# Altium PCB sinking-clock_Brain-PCB_RigFlex-test.PcbDoc (continued)
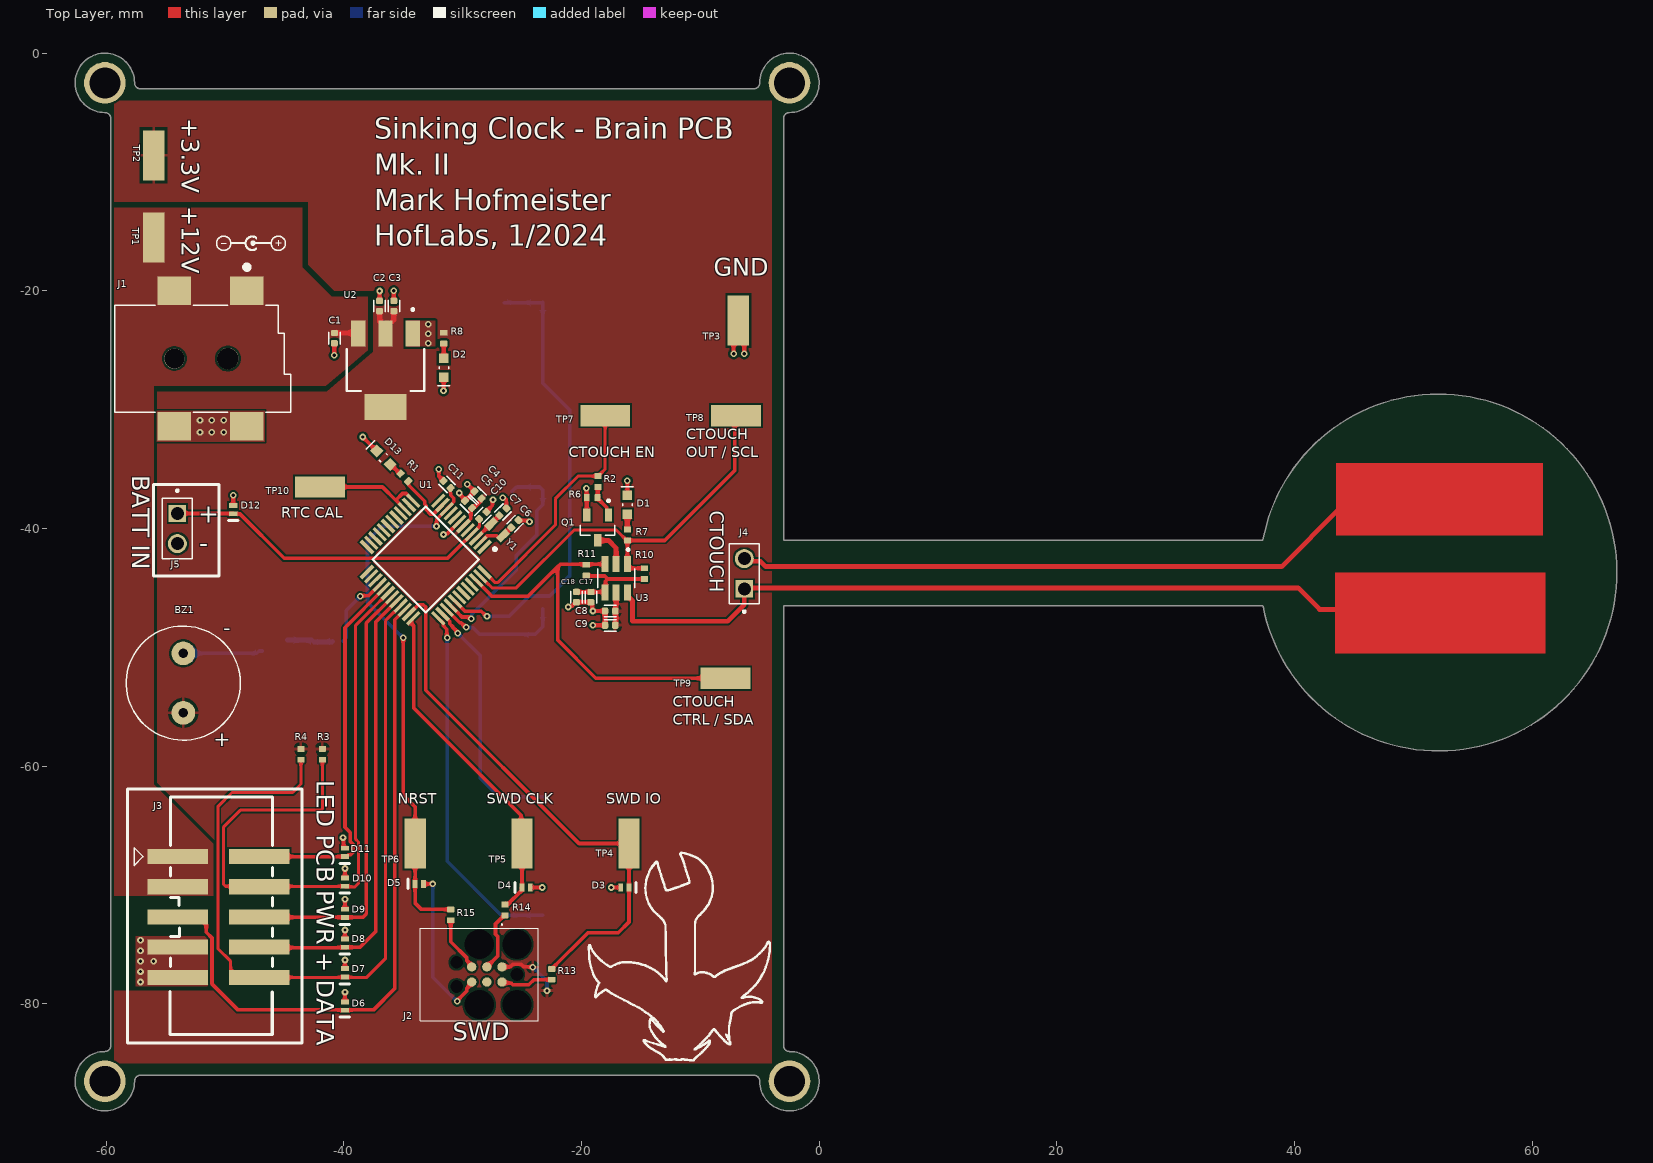
[diagram p0: Top Layer view]
## Components (designator, comment, footprint, x,y, rotation, side; value= is the part's Value field where it differs from the comment) (continued)
R13 "RES" 0402R -22.5,-77.5 r90 top value=56
R14 "RES" 0402R -26.445,-72.09 r90 top value=56
R15 "RES" 0402R -31,-72.5 r90 top value=56
SW1 "SPDT SMT Tactile Push Button Switch" TL3301BF160QGTUBE -18.7,-18.7 r90 bottom locked
SW2 "SPDT SMT Tactile Push Button Switch" TL3301BF160QGTUBE -18.7,-34.5 r90 bottom locked
SW3 "SPDT SMT Tactile Push Button Switch" TL3301BF160QGTUBE -18.7,-44.5 r90 bottom locked
SW4 "SPDT SMT Tactile Push Button Switch" TL3301BF160QGTUBE -18.7,-60.3 r90 bottom locked
SW5 "SPDT SMT Tactile Push Button Switch" TL3301BF160QGTUBE -18.7,-70.3 r90 bottom locked
TP1 "RCWCTE" RCWCTE -56,-15.5 r270 top
TP2 "RCWCTE" RCWCTE -56,-8.6 r270 top
TP3 "RCWCTE" RCWCTE -6.8,-22.5 r270 top
TP4 "RCWCTE" RCWCTE -16,-66.5 r270 top
TP5 "RCWCTE" RCWCTE -25,-66.5 r270 top
TP6 "RCWCTE" RCWCTE -34,-66.5 r270 top
TP7 "RCWCTE" RCWCTE -18,-30.5 r0 top
TP8 "RCWCTE" RCWCTE -7,-30.5 r0 top
TP9 "RCWCTE" RCWCTE -7.89,-52.59 r0 top
TP10 "RCWCTE" RCWCTE -42,-36.5 r180 top
U1 "STM32G031C6T6" 48-LQFP -33.1,-42.6 r225 top locked
U2 "AZ1117IH-3.3TRG1" SOT-223-3 -36.485,-26.674 r270 top
U3 "IQS228B00000000TSR" TSOT-23-6 -17.085,-44.185 r270 top
Y1 "ECS-.327-7-12R-TR" ECS-.327-12.5-12R-TR -27.1,-40.1 r315 top

## Footprints (in the part's own frame and the unit in brackets; to place one, negate y for a bottom-side part, rotate by r counter-clockwise, add the part's x,y. Pads: shape width x height; smd on the part's side, far side on the other; paste and mask are expansions set on the pad)
"2-pos, 0.1\" TH header" [mm]
  rect 1.45x1.45 / inner round 1.45 / far side rect 1.45x1.45 hole 1.1: 1(-1.27,0)
  round 1.6 hole 1.1: 2(1.27,0)
  silkscreen extent -3.29,-1.27 2.54,1.27, body extent -2.57,-1.26 2.51,1.28, height 8.57
"5x2, 0.1' pitch SMT header" [mil] "CONN HEADER SMD 10POS 2.54MM"
  rect 50x200 smd: 1(-200,-135) 2(-200,135) 3(-100,-135) 4(-100,135) 5(0,-135) 6(0,135) 7(100,-135) 8(100,135) 9(200,-135) 10(200,135)
  silkscreen extent -398,-280 390,178, body extent -396,-165 394,180, height 496
48-LQFP [mm]
  rect 1.475x0.3 smd mask+0.03: 1(-4.238,2.75) 2(-4.238,2.25) 3(-4.238,1.75) 4(-4.238,1.25) 5(-4.238,0.75) 6(-4.238,0.25) 7(-4.238,-0.25) 8(-4.238,-0.75) 9(-4.238,-1.25) 10(-4.238,-1.75) 11(-4.238,-2.25) 12(-4.238,-2.75) 25(4.238,-2.75) 26(4.238,-2.25) 27(4.238,-1.75) 28(4.238,-1.25) 29(4.238,-0.75) 30(4.238,-0.25) 31(4.238,0.25) 32(4.238,0.75) 33(4.238,1.25) 34(4.238,1.75) 35(4.238,2.25) 36(4.238,2.75)
  rect 0.3x1.475 smd mask+0.03: 13(-2.75,-4.238) 14(-2.25,-4.238) 15(-1.75,-4.238) 16(-1.25,-4.238) 17(-0.75,-4.238) 18(-0.25,-4.238) 19(0.25,-4.238) 20(0.75,-4.238) 21(1.25,-4.238) 22(1.75,-4.238) 23(2.25,-4.238) 24(2.75,-4.238) 37(2.75,4.238) 38(2.25,4.238) 39(1.75,4.238) 40(1.25,4.238) 41(0.75,4.238) 42(0.25,4.238) 43(-0.25,4.238) 44(-0.75,4.238) 45(-1.25,4.238) 46(-1.75,4.238) 47(-2.25,4.238) 48(-2.75,4.238)
  silkscreen extent -4.85,-3.15 3.15,3.62, body extent -4.5,-4.5 4.5,4.5, height 1.6
0402C [mm] "0402 SMT Capacitor"
  rrect53% 0.54x0.6 smd: 1(-0.43,0) 2(0.43,0)
  silkscreen extent -0.5,-0.48 0.5,0.48, body extent -0.5,-0.25 0.5,0.25, height 0.5
0402R [mm] "0402 SMT Resistor"
  rrect20% 0.49x0.6 smd: 1(-0.455,0) 2(0.455,0)
  body extent -0.75,-0.25 0.75,0.25, height 0.35
CUI_CMI-9605IC-0380T [mm]
  round 2 hole 0.8: N(0,-2.5) P(0,2.5)
  silkscreen extent -4.8,-4.8 4.8,4.8, body extent -4.78,-5.82 4.72,4.88, height 5.05
DESD3V3S1BL-7B [mm]
  rect 0.4x0.7 smd mask+0.076: 1(-0.025,0) 2(0.675,0)
  silkscreen extent -0.6,-0.4 -0.6,0.4, body extent -0.18,-0.3 0.82,0.3, height 0.53
ECS-.327-12.5-12R-TR [mm]
  rect 0.6x1.1 smd: 1(-0.7,0) 2(0.7,0)
  body extent -1,-0.55 1,0.55, height 0.6
"LED - 0603" [mm]
  rect 0.8x0.8 smd: 1(-0.8,0) 2(0.8,0)
  silkscreen extent -0.08,-0.51 1.52,0.51, body extent -0.8,-0.35 0.8,0.35, height 0.7
PJ-002BH-SMT-TR [mm] "Barrel Jack 2.5mm ID 5.5mm OD"
  rect 2.8x2.4 smd: 1(-6.1,0) 1(0,0) 2(-6.1,-11.4) 3(0,-11.4)
  round 1.7 hole 1.7 unplated: ""(-6.1,-5.7)
  round 1.8 hole 1.8 unplated: ""(-1.6,-5.7)
  silkscreen extent -11.1,-10.2 3.7,2.19, body extent -11.1,-12.1 3.7,0.5, height 11
RCWCTE [mm]
  rect 4.2x1.8 smd: 1(0,0)
  body extent -1.6,-0.8 1.6,0.8, height 2.01
SOT-23 [mm]
  rect 1.09x0.61 smd: 1(-1.07,0.915) 2(-1.07,-0.915) 3(1.07,0)
  silkscreen extent -2.35,-1.45 0.65,1.45, body extent -1.2,-1.45 1.2,1.45, height 1.2
SOT-223-3 [mm]
  rect 2.2x1.2 smd: 1(-3.1,2.3) 2(-3.1,0) 3(-3.1,-2.3)
  rect 2.2x3.5 smd: 4(3.1,0)
  silkscreen extent -5.2,-3.25 1.75,3.25, body extent -3.5,-3.25 3.5,3.25, height 1.65
"TAG CONNECT TC2030IDC - NO 3D MODEL" [mil]
  round 30.83 smd: 1(-37.52,-25) 2(-37.52,25) 3(12.48,-25) 4(12.48,25) 5(62.52,-25) 6(62.52,25)
  round 48.25 hole 96.5 unplated: 7(-87.52,-100) 9(-87.52,100) 10(37.48,-100) 11(37.48,100)
  round 21 hole 42.01 unplated: 8(-87.52,0) 12(112.48,-40) 13(112.48,40)
  silkscreen extent -157,-167 232,154
TL3301BF160QGTUBE [mm]
  rect 1.4x2.1 smd: 1(-2.25,-4.55) 2(-2.25,4.55) 3(2.25,-4.55) 4(2.25,4.55)
  body extent -3.04,-5.02 2.96,4.98, height 9.55
TSOT-23-6 [mm]
  rect 1.34x0.59 smd: 1(-1.19,0.95) 2(-1.19,0) 3(-1.19,-0.95) 4(1.19,-0.95) 5(1.19,0) 6(1.19,0.95)
  silkscreen extent -2.52,-1.56 0.8,1.56, body extent -1.4,-1.45 1.4,1.45, height 1

## Part data
BZ1: "MAGNETIC BUZZER INDICATOR", MFR="CUI Devices", MFR PN=CMI-9605IC-0380T, Vendor=DigiKey, Vendor Link=https://www.digikey.com/en/products/detail/cui-devices/CMI-9605IC-0380T/11674180, Vendor PN=2223-CMI-9605IC-0380T-ND
C1 C2 C3: "Capaicitor", MFR="KYOCERA AVX", MFR PN=KGM05CR51A106MH, ClassName=PWR, Vendor=DigiKey, Vendor Link=https://www.digikey.com/en/products/detail/kyocera-avx/KGM05CR51A106MH/6564275, Vendor PN=478-KGM05CR51A106MHCT-ND
C4 C10 C18: "Capaicitor", MFR="Samsung Electro-Mechanics", MFR PN=CL05A475KQ5NRNC, Vendor=DigiKey, Vendor Link=https://www.digikey.com/en/products/detail/samsung-electro-mechanics/CL05A105KL5NRNC/5961280, Vendor PN=1276-6796-1-ND
  C18: ClassName=CTOUCH
C5 C9 C11 C12 C13 C14 C15 C16: "Capaicitor", MFR="Samsung Electro-Mechanics", MFR PN=CL05A104KP5NNNC, Vendor=DigiKey, Vendor Link=https://www.digikey.com/en/products/detail/samsung-electro-mechanics/CL05A104KP5NNNC/3886680, Vendor PN=1276-1022-1-ND
C6 C7 C8: "Capaicitor"
C17: "Capaicitor", MFR="Walsin Technology Corporation", MFR PN=HH15N101J500CT, ClassName=CTOUCH, Vendor=DigiKey, Vendor Link=https://www.digikey.com/en/products/detail/walsin-technology-corporation/HH15N101J500CT/14836854, Vendor PN=1292-HH15N101J500CT-ND
D1 D2 D13: "LED", Color=Green, MFR=Dialight, MFR PN=5988070107F, Vendor=DigiKey, Vendor Link=https://www.digikey.com/en/products/detail/dialight/5988070107F/1291269, Vendor PN=350-2035-1-ND
  D1: ClassName=CTOUCH
  D2 D13: ClassName=PWR
D3 D4 D5 D6 D7 D8 D9 D10 D11 D12: library part "TVS Diode Bi", MFR="Diodes Incorporated", MFR PN=DESD3V3E1BL-7B
J1: "2.5 mm Center Pin, 5.0 A, Right Angle, Surface Mount (SMT), Dc Power Jack Connector", MFR="CUI Devices", ClassName=PWR, MFR PN=PJ-002BH-SMT-TR, Vendor=DigiKey, Vendor Link=https://www.digikey.com/en/products/detail/cui-devices/PJ-002BH-SMT-TR/404626, Vendor PN=CP-002BHPJCT-ND
J2: "\"Plug of Nails\" POGO Pin connector", MFR=Tag-Connect, MFR PN=TC2030-IDC-NL
J3: "CONN HEADER SMD 10POS 2.54MM", MFR="CNC Tech", MFR PN=3020-10-0300-00, Vendor=DigiKey, Vendor Link=https://www.digikey.com/en/products/detail/cnc-tech/3020-10-0300-00/3441727, Vendor PN=1175-1621-ND
J4 J5: "2-pos connector, 0.1\", TH, male"
  J4: ClassName=CTOUCH
Q1 Q2: "N-Channel MOSFET", MFR="Diodes Incorporated", MFR PN=DMN63D8L
R1 R8 R9 R13 R14 R15: "Resistor", MFR=YAGEO, MFR PN=RC0402FR-0756RL, ClassName=PWR, Vendor=DigiKey, Vendor Link=https://www.digikey.com/en/products/detail/yageo/RC0402FR-0756RL/726636, Vendor PN=311-56.0LRCT-ND
R2 R7 R10 R11: "Resistor", MFR=YAGEO, MFR PN=AC0402FR-134K7L
R3 R4 R6 R12: "Resistor", MFR=YAGEO, MFR PN=RC0402JR-0710KL, Vendor=DigiKey, Vendor Link=https://www.digikey.com/en/products/detail/yageo/RC0402JR-0710KL/726418, Vendor PN=311-10KJRCT-ND
SW1 SW2 SW3 SW4 SW5: "Tactile Push Button Switch, Gull Wing Lead, 9.5mm contact height", MFR=E-Switch, MFR PN=TL3301BF160QG, Vendor=DigiKey, Vendor Link=https://www.digikey.com/en/products/detail/e-switch/TL3301BF160QGTUBE/1805543, Vendor PN=141-TL3301BF160QGTUBE-ND
TP1 TP2 TP3 TP4 TP5 TP6 TP7 TP8 TP9 TP10: library part "Test Point", "Test Point, Surface Mount", MFR="KOA Speer Electronics, Inc.", MFR PN=RCWCTE, Vendor=DigiKey, Vendor Link=https://www.digikey.com/en/products/detail/koa-speer-electronics-inc/RCWCTE/11476558, Vendor PN=2019-RCWCTECT-ND
  TP1 TP2: ClassName=PWR
  TP7 TP8 TP9: ClassName=CTOUCH
U1: "STM32G031C6T6 - ARM MCU, STM32 Family STM32G0 Series Microcontrollers, ARM Cortex-M0+, 32bit, 64 MHz, 32 KB, 8 KB", MFR=STMicroelectronics, MFR PN=STM32G031C6T6, Vendor=DigiKey, Vendor Link=https://www.digikey.com/en/products/detail/stmicroelectronics/STM32G031C6T6/10300268, Vendor PN=497-19555-ND
U2: "IC REG LINEAR 3.3V 1A SOT223", MFR="Diodes Incorporated", ClassName=PWR, MFR PN=AZ1117IH-3.3TRG1, Vendor=DigiKey, Vendor Link=https://www.digikey.com/en/products/detail/diodes-incorporated/AZ1117IH-3-3TRG1/5699672, Vendor PN=AZ1117IH-3.3TRG1DICT-ND
U3: library part AT42QT1070-SSU, "Capacitive Touch Buttons 14-SOIC", MFR=Microchip, MFR PN=AT42QT1070-SSU
Y1: "SMD Tuning Fork Crystal", MFR="ECS Inc.", MFR PN=ECS-.327-7-12R-TR, Vendor=DigiKey, Vendor Link=https://www.digikey.com/en/products/detail/ecs-inc/ECS-327-7-12R-TR/8593599, Vendor PN=XC2743CT-ND

## Free pads (board coordinates)
  round 3.5 hole 2.6: 4(-60.1,-86.5) 4(-60.1,-2.5) 4(-2.5,-86.5) 4(-2.5,-2.5)

## Via types
v1: diameter 0.559, hole 0.279, Top Layer to Bottom Layer, tented top, 55 vias

## Nets (pads, with @x,y where several pads share a name; then routed paths per layer and width w, separated by ;. In a path a pad name is that pad's centre, name@x,y a point inside that pad or via, vN(x,y) a via of type N, cw(c..) or ccw(c..) an arc to the next point about the centre after c; other vN are vias at no path point)
+12: C1.2 J1.1 J3.1 J3.3 TP1.1 U2.3 | length 2
  Top Layer w0.406: C1.2 -38.815,-23.544 U2.3
ALARM_EN_BUTTON: C13.2 SW2.1 U1.40 | length 18.4
  Top Layer w0.305: U1.40 -30.358,-47.11 -30.358,-47.134 -30.046,-47.446 -29.454,-47.446 -29.321,-47.579 v1(-29.279,-47.579)
  Bottom Layer w0.305: v1(-29.279,-47.579) -29.231,-47.531 -29.231,-47.231 -25.5,-43.5 -25.5,-42.283 -23.763,-40.546 -23.763,-38.511 -23.25,-37.998 SW2.1 -23.5,-36.5 -25.417,-36.5 -25.526,-36.609 -25.589,-36.609 -25.849,-36.869 C13.2
Alarm_LED: D6.1 J3.5 U1.34 | length 57.2
  Top Layer w0.305: J3.5 -52.053,-72.68 -51.57,-73.163 -51.57,-73.966 -51.088,-74.448 -51.088,-78.312 -48.9,-80.5 -37.5,-80.5 -35.7,-78.7 -35.7,-47.675 U1.34
ALARM_SET_BUTTON: C14.2 SW3.1 U1.39 | length 10.7
  Top Layer w0.305: U1.39 -30.246,-47.929 -30.14,-47.929 -29.769,-48.3 v1(-29.7,-48.3)
  Bottom Layer w0.305: v1(-29.7,-48.3) -29.651,-48.349 -29.123,-48.349 -28.572,-48.9 -23.9,-48.9 -23.25,-48.25 SW3.1
BUZZER_OUT: R9.2 U1.28 | length 6.4
  Top Layer w0.305: v1(-38.61,-45.7) -38.561,-45.651 -37.919,-45.651 U1.28
  Bottom Layer w0.305: R9.2 -40.045,-49.445 -39.8,-49.2 -39.8,-46.9 -38.61,-45.71 v1(-38.61,-45.7)
CAPTOUCH_EN: R2.2 TP7.1 U1.48 | length 20.6
  Top Layer w0.254: U1.48 -27.261,-44.55 -27.05,-44.55 -22.2,-39.7 -22.2,-37.5 -20.29,-35.59 R2.2 -18.545,-35.59 -18.427,-35.472 -18.427,-35.417 -18,-34.99 TP7.1 TP7.1@-18.18,-30.68
CAPTOUCH_IN: J4.1 U3.6 | length 66.7
  Top Layer w0.4: -15.7,-47.8 -7.7,-47.8 -6.3,-46.4 J4.1 -6.23,-45 40.3,-45 42.1,-46.8 45.6,-46.8
  Top Layer w0.406: U3.6 -16.135,-45.75 -16.043,-45.842 -15.938,-45.842 -15.7,-46.08 -15.7,-47.8
CAPTOUCH_OUT_SCL: R7.2 R10.1 TP8.1 U1.47 U3.1 | length 35
  Top Layer w0.254: U1.47 -27.536,-44.982 -25.482,-44.982 -20.635,-40.135 -17.055,-40.135 -16.19,-41 R7.2
  Top Layer w0.305: R10.1 -15.992,-43.335 -16.135,-43.192 U3.1 R7.2 -13,-41 -7.09,-35.09 -7.09,-30.59 TP8.1
CTOUCH_CTRL_SDA: R11.1 TP9.1 U1.46 U3.3 | length 34.5
  Top Layer w0.305: U1.46 -27.525,-45.7 -24.5,-45.7 -22,-43.2 ; U3.3@-18.035,-43.37 U3.3 -19.6,-42.995 -21.795,-42.995 -22,-43.2 ; TP9.1 -18.79,-52.59 -22,-49.38 -22,-43.2
DISPLAY_BUTTON: C12.2 SW1.1 U1.41 | length 38.8
  Top Layer w0.305: U1.41 -29.797,-46.964 -28.439,-46.964 -28.012,-47.391 v1(-27.943,-47.391)
  Bottom Layer w0.305: v1(-27.943,-47.391) -26.108,-47.391 -24.388,-45.671 -22.671,-45.671 -21,-44 -21,-30 -23.25,-27.75 SW1.1 -23.3,-21 C12.2@-26.5,-21
GND: C1.1 C2.1 C3.1 C4.1 C5.1 C6.1 C7.1 C8.1 C9.1 C10.1 C11.1 C12.1 C13.1 C14.1 C15.1 C16.1 C17.1 C18.1 D1.2 D2.2 D3.2 D4.2 D5.2 D6.2 D7.2 D8.2 D9.2 D10.2 D11.2 D12.2 D13.2 J1.2 J1.3 J2.6 J3.7 J3.9 J4.2 J5.2 Q1.2 Q2.2 R6.1 R12.1 SW1.3 SW2.3 SW3.3 SW4.3 SW5.3 TP3.1 U1.7 U2.1 | length 109.4
  Top Layer w0.305: D12.2 v1(-49.3,-37.2) ; v1(-40.809,-25.409) -40.797,-25.397 -40.797,-24.416 C1.1 ; v1(-40.067,-66) -40.018,-66.049 -40.018,-66.852 -39.948,-66.852 D11.2 ; D6.2 v1(-39.9,-79) ; D7.2 v1(-39.9,-76.3) ; D8.2 v1(-39.9,-73.776) ; D9.2 v1(-39.9,-71.2) ; D10.2 v1(-39.9,-68.6) ; v1(-38.4,-32.3) D13.2 ; v1(-36.985,-20.015) C2.1 C2.1@-36.955,-20.844 ; v1@-35.849,-20.049 v1(-35.8,-20) -35.793,-20.007 -35.793,-20.837 C3.1 ; D5.2 v1(-32.5,-69.9) ; v1(-32,-35) -32,-35.589 C11.1@-31.546,-36.043 ; v1(-31.61,-40.5) -31.561,-40.451 -31.305,-40.451 U1.7 ; v1(-31.61,-28.415) -31.597,-28.403 -31.597,-27.286 D2.2 ; v1(-30.443,-79.761) -30.443,-79.703 -29.636,-78.897 -29.636,-78.686 -29.231,-78.28 J2.6 ; v1(-30.286,-37.008) -30.286,-37.077 -29.808,-37.555 C5.1 ; C5.1@-29.704,-37.56 C4.1 -29.008,-36.841 -29.572,-36.277 v1(-29.61,-36.277) ; C10.1 -27.996,-38.571 -27.494,-38.069 -27.494,-37.629 v1(-27.445,-37.581) ; v1(-26.61,-37.4) -26.599,-37.411 -26.458,-37.411 -26.317,-37.551 -26.317,-38.275 C7.1 ; C6.1 -25.275,-39.317 -24.563,-39.317 -24.442,-39.439 v1(-24.373,-39.439) ; D4.2 v1(-23.3,-70.2) ; v1(-21.1,-46.6) -21.051,-46.551 -20.817,-46.551 -20.459,-46.194 C18.1 -20.426,-46.197 -19.203,-46.197 C17.1 -19.084,-46.316 -19.084,-46.891 v1(-19.035,-46.94) C8.1 ; v1(-19.583,-36.617) -19.569,-36.631 -19.569,-37.386 -19.552,-37.403 -19.552,-38.842 Q1.2 ; v1(-19.035,-48.14) C9.1 ; v1(-17.5,-70.2) D3.2 ; D1.2 v1(-16.135,-35.973) ; v1(-7.2,-25.3) -7.2,-22.9 TP3.1 -6.3,-23 v1(-6.3,-25.3)
  Top Layer w0.4: J4.2 -6.07,-42.76 -4.94,-42.76 -4.5,-43.2 38.9,-43.2 43.9,-38.2 49.3,-38.2
  Top Layer w0.406: C9.1 C8.1
  Bottom Layer w0.305: v1(-32.5,-69.9) -32.5,-77.753 -30.493,-79.761 v1(-30.443,-79.761)
  other v1: -57.1,-78.15 -57.1,-77.275 -57.1,-76.4 -56,-76.4 -57.1,-75.525 -57.1,-74.65 -52.1,-31.9 -51.1,-31.9 -50.1,-31.9 -52.1,-30.9 -51.1,-30.9 -50.1,-30.9 -32.9,-24.4 -32.9,-23.6 -32.9,-22.8
HOUR_SET_BUTTON: C15.2 SW4.1 U1.38 | length 21
  Top Layer w0.305: U1.38 -31.09,-47.792 -31.09,-48.003 -30.854,-48.239 -30.854,-48.277 -30.4,-48.731 v1(-30.4,-48.8)
  Bottom Layer w0.305: v1(-30.4,-48.8) -28.5,-50.7 -28.5,-61 -26.95,-62.55 -26.326,-62.55 -26.324,-62.548 -25.676,-62.548 -25.674,-62.55 SW4.1
MINUTE_SET_BUTTON: C16.2 SW5.1 U1.37 | length 30.7
  Top Layer w0.305: U1.37 -31.636,-47.953 -31.636,-48.164 -31.337,-48.463 -31.337,-49.163 v1(-31.3,-49.2)
  Bottom Layer w0.305: v1(-31.3,-49.2) -31.3,-68 -26.75,-72.55 -26.5,-72.55 -25.8,-72.55 SW5.1
NetBZ1_N: BZ1.N Q2.3 | length 6.7
  Bottom Layer w0.305: BZ1.N -47.32,-50.5 -47.12,-50.3 Q2.3
NetC6_2: C6.2 U1.2 Y1.2 | length 3.3
  Top Layer w0.305: U1.2 -28.509,-41.194 -27.905,-40.59 -27.172,-40.59 -26.991,-40.772 -26.782,-40.772 Y1.2 -26.6,-40.595 -25.909,-39.904 C6.2
NetC7_2: C7.2 U1.3 Y1.1 | length 2.8
  Top Layer w0.305: U1.3 -28.862,-40.841 -27.627,-39.605 Y1.1 -27.595,-39.6 -26.904,-38.909 C7.2
NetC10_2: C10.2 D12.1 J5.1 U1.4 | length 28.7
  Top Layer w0.254: U1.4 -29.219,-40.455 -28.592,-39.827 -28.592,-39.636 -28.589,-39.634 -28.589,-39.219 C10.2
  Top Layer w0.305: J5.1 -49.3,-38.73 -49.259,-38.771 -48.729,-38.771 -44.994,-42.506 -31.266,-42.506 -29.725,-40.965 -29.7,-40.965 -29.223,-40.487 U1.4
NetD1_1: D1.1 R7.1 | length 1.3
  Top Layer w0.406: R7.1 D1.1
NetD2_1: D2.1 R8.1 | length 1.2
  Top Layer w0.305: D2.1 R8.1
NetD13_1: D13.1 R1.2 | length 1.2
  Top Layer w0.305: D13.1 -36.05,-34.6 -35.272,-35.378 R1.2
NetJ2_2: J2.2 R13.1 | length 4.5
  Top Layer w0.305: J2.2 -26.599,-78.242 -25.915,-78.242 -25.778,-78.38 -24.425,-78.38 -24,-77.955 R13.1
NetJ2_3: J2.3 R14.1 | length 5.2
  Top Layer w0.305: J2.3 -27.039,-75.96 -27.039,-74.319 -27.229,-74.13 -27.229,-73.274 -26.5,-72.545 R14.1
NetJ2_5: J2.5 R15.1 | length 4.7
  Top Layer w0.305: R15.1 -31,-74.771 -29.636,-76.135 -29.636,-76.346 -29.231,-76.752 J2.5
NetQ1_1: Q1.1 R2.1 R6.2 | length 2.7
  Top Layer w0.305: R2.1 -18.623,-36.522 -18.623,-37.377 R6.2 -18.645,-37.455 -17.873,-38.227 -17.873,-38.692 Q1.1
NetQ1_3: Q1.3 U3.2 | length 3.3
  Top Layer w0.406: Q1.3 -18.635,-40.988 -18.533,-41.09 -18.533,-41.005 -17.72,-41.005 -17.085,-41.64 U3.2
NetQ2_1: Q2.1 R9.1 R12.2 | length 3.6
  Bottom Layer w0.406: Q2.1 R12.2@-42.715,-49.385 ; R12.2 -40.997,-49.545 -40.955,-49.503 R9.1
NetR1_1: R1.1 U1.11 | length 4.9
  Top Layer w0.305: R1.1 -34.578,-36.153 -34.617,-36.192 -34.537,-36.272 -34.537,-36.363 -33.194,-37.706 -33.194,-37.962 -33.065,-38.091 -33.065,-38.417 -32.708,-38.774 -32.456,-38.774 U1.11
NRST: C11.2 D5.1 R15.2 TP6.1 U1.10 | length 45.6
  Top Layer w0.305: v1(-35,-49.2) -35,-62.4 -34,-63.4 TP6.1 -34,-71.5 -33.455,-72.045 R15.2 ; v1(-32.2,-39.8) -32.185,-39.785 -32.185,-39.211 U1.10 -31.341,-38.362 -30.863,-37.885 -30.863,-37.86 -30.737,-37.734 -30.737,-37.46 -30.994,-37.203 -30.994,-37.033 -31.026,-37.001 -31.026,-36.619 C11.2
  Bottom Layer w0.305: v1(-35,-49.2) -38,-46.2 -38,-41 -36.8,-39.8 v1(-32.2,-39.8)
RTC_CAL: TP10.1 U1.13 U1.15 | length 9.6
  Top Layer w0.305: TP10.1@-41.767,-36.5 -36.747,-36.5 -35.625,-37.622 ; U1.15 -34.863,-38.366 -35.606,-37.622 -35.625,-37.622 ; U1.13 -34.156,-37.659 -34.76,-37.055 -35.058,-37.055 -35.625,-37.622
SHIFT_DATA_CLK: D8.1 J3.8 U1.32 | length 38.9
  Top Layer w0.305: J3.8 -47.059,-75.261 D8.1@-39.8,-75.261 ; D8.1@-39.8,-75.225 -38.625,-75.225 -37.3,-73.9 -37.3,-47.861 U1.32
SHIFT_DATA_IN: D11.1 J3.2 U1.29 | length 31.7
  Top Layer w0.305: J3.2 -43.5,-67.6 ; -43.4,-67.6 D11.1 -39.75,-67.6 -39.58,-67.43 -39.413,-67.43 -39.22,-67.237 -39.22,-66.563 -39.457,-66.326 -39.457,-65.581 -39.9,-65.138 -39.9,-48.339 U1.29
SHIFT_MCLR: D7.1 J3.10 R4.1 U1.33 | length 68.3
  Top Layer w0.254: R4.1 -43.6,-61.5 -44.3,-62.2 -49.4,-62.2 -50.6,-63.4 -50.6,-75.326 -49.513,-76.413 -49.513,-77.252 -49.005,-77.76 J3.10 -38.06,-77.76 -36.5,-76.2 -36.5,-47.768 U1.33
SHIFT_OUTPUT_EN: D10.1 J3.4 R3.1 U1.30 | length 55.1
  Top Layer w0.254: R3.1 -41.8,-63.59 -41.91,-63.7 -48.7,-63.7 -50.1,-65.1 -50.1,-69.951 -49.951,-70.1 -47.14,-70.1 J3.4 -47.06,-70.1 D10.1 ; D10.1@-39.9,-70.14 -39.049,-70.14 -38.763,-69.854 -38.763,-66.374 -39,-66.136 -39,-48.146 U1.30
SHIFT_STORE_CLK: D9.1 J3.6 U1.31 | length 36.7
  Top Layer w0.305: J3.6 -47.075,-72.705 -38.384,-72.705 -38.1,-72.421 -38.1,-47.954 U1.31
SWD_CLK: D4.1 R14.2 TP5.1 U1.36 | length 28.4
  Top Layer w0.305: U1.36@-34.455,-47.848 -34.1,-48.203 -34.1,-55.1 -25.079,-64.121 -25.079,-66.421 TP5.1 D4.1 -25.048,-70.248 -25.048,-70.465 -26.218,-71.635 R14.2
SWD_IO: D3.1 R13.2 TP4.1 U1.35 | length 46
  Top Layer w0.305: U1.35 -33.718,-46.4 -33.3,-46.4 -33.1,-46.6 -33.1,-53.6 -20.2,-66.5 TP4.1 -16,-73.1 -16.9,-74 -19.455,-74 R13.2
VCC: BZ1.P C2.2 C3.2 C4.2 C5.2 C8.2 C9.2 J2.1 R3.2 R4.2 R8.2 TP2.1 U1.6 U2.2 U2.4 U3.5 | length 14.5
  Top Layer w0.305: U1.6 -29.927,-39.777 -29.317,-39.167 -29.317,-38.525 -29.296,-38.504 C4.2@-28.496,-37.704 ; J2.1 -26.006,-76.881 -25.778,-76.652 -25.062,-76.652 -24.834,-76.881 v1@-24.119,-76.881
  Top Layer w0.406: C2.2 -36.985,-22.574 U2.2@-36.485,-23.074 ; U2.2 U2.2@-36.485,-23.074 ; C3.2 -35.785,-22.439 -36.023,-22.677 -36.089,-22.677 U2.2@-36.485,-23.074 ; C9.2 -17.155,-48.11 -17.085,-48.04 U3.5
  Bottom Layer w0.305: v1(-24.1,-76.9) -22.9,-78.1 v1(-22.9,-78.9)
VREG: C17.2 C18.2 R10.2 R11.2 U3.4 | length 8.8
  Top Layer w0.305: C18.2 -18.076,-45.334 U3.4 -17.972,-45.312 -17.972,-44.436 -17.782,-44.245 ; R11.2@-19.494,-43.955 R11.2 -19.56,-43.995 -18.032,-43.995 -17.782,-44.245 ; R10.2@-14.685,-44.25 R10.2 -17.782,-44.245
pads on no net: J1. J2.4 J2.7 J2.8 J2.9 J2.10 J2.11 J2.12 J2.13 SW1.2 SW1.4 SW2.2 SW2.4 SW3.2 SW3.4 SW4.2 SW4.4 SW5.2 SW5.4 U1.1 U1.5 U1.8 U1.9 U1.12 U1.14 U1.16 U1.17 U1.18 U1.19 U1.20 U1.21 U1.22 U1.23 U1.24 U1.25 U1.26 U1.27 U1.42 U1.43 U1.44 U1.45

## Polygon pours and split planes (outlines as drawn)
VCC on Top Layer "VCC_L01_P008" (solid, remove dead copper, pour order 8): -59.3,-12.5 -59.3,-4 -4,-4 -4,-85 -59.3,-85 -59.3,-78.9 -50.5,-78.9 -50.5,-66.6 -55.7,-61.4 -55.7,-28.5 -41.45,-28.5 -37.5,-25.114 -37.5,-20 -40.8,-20 -43,-17.8 -43,-12.5
+12 on Top Layer "+12_L01_P007" (solid, remove dead copper, pour order 7): -59.3,-13 -43.5,-13 -43.5,-18 -41,-20.5 -38,-20.5 -38,-25 -39.4,-26.2 -41.5,-28 -56,-28 -56,-61.5 -51,-66.5 -51,-70.9 -59.3,-70.9
GND on Top Layer "GND_L01_P000" (solid, pour order 0): -55.75,-30.1 -46.65,-30.1 -46.65,-32.7 -55.75,-32.7
GND on Top Layer "GND_L01_P005" (solid, pour order 5): -34.7,-24.674 -32.3,-24.674 -32.3,-22.5 -34.7,-22.5
GND on Top Layer "GND_L01_P001" (solid, remove dead copper, pour order 1): -57.5,-78.5 -51,-78.5 -51,-74.3 -57.5,-74.3
GND on Bottom Layer "GND_L02_P002" (solid, remove dead copper, pour order 2): -59.3,-4 -4,-4 -4,-85 -59.3,-85

## Other copper
Top Layer:
  rectangle net CAPTOUCH_IN: 43.4,-50.5 61.1,-43.7
  rectangle net GND: 43.5,-40.6 60.9,-34.5

## Silkscreen, mask and mechanical layers (free items; w line width, h text height)
Board Layer Stack Top Overlay:
  drawing of 667 lines, arcs and shapes, not listed
  text "+3.3V" at -54.116,-5.491 h2.5 r270
  text "+12V" at -54.129,-12.869 h2.5 r270
  text "Sinking Clock - Brain PCB / Mk. II / Mark Hofmeister / HofLabs, 1/2024" at -37.44,-16.8 h3
  text "GND" at -8.853,-19.249 h2.5
  text "CTOUCH EN" at -21.055,-34.281 h1.52
  text "CTOUCH / OUT / SCL" at -11.173,-34.301 h1.52
  text "BATT IN" at -58.309,-35.497 h2.54 r270
  text "CTOUCH" at -9.615,-38.485 h2 r270
  text "RTC CAL" at -45.278,-39.401 h1.52
  text "+" at -52.246,-39.5 h1.52
  text "-" at -52.146,-42.008 h1.52
  text "CTOUCH  / CTRL / SDA" at -12.338,-56.801 h1.52
  text "LED PCB PWR + DATA" at -42.796,-61.165 h2.54 r270
  text "NRST" at -35.466,-63.453 h1.52
  text "SWD CLK" at -27.958,-63.451 h1.52
  text "SWD IO" at -17.927,-63.451 h1.52
  text "SWD" at -30.842,-83.564 h2.54
Flex Bottom Overlay:
  region: -34.5,-59 -57.1,-59 -57.1,-82 -34.5,-82
  region: -34.5,-15.5 -55,-15.5 -55,-22 -34.5,-22
  lines w0.356: -57.5,-82.5 -34,-82.5 -34,-58.5 -57.5,-58.5 -57.5,-82.5 ; -55.5,-22.5 -34,-22.5 -34,-15 -55.5,-15 -55.5,-22.5 ; -25,-74 -12.5,-74 -12.5,-66.5 -25,-66.5 -25,-74 ; -25,-64 -12.5,-64 -12.5,-56.5 -25,-56.5 -25,-64 ; -25,-48.25 -12.5,-48.25 -12.5,-40.75 -25,-40.75 -25,-48.25 ; -25,-38.25 -12.5,-38.25 -12.5,-30.75 -25,-30.75 -25,-38.25 ; -25,-22.5 -25,-15 -12.5,-15 -12.5,-22.5 -25,-22.5
  text "S/N" at -34.402,-13.646 h3.81
  text "DISPLAY" at -12.632,-14.235 h1.78
  text "ALARM EN" at -12.67,-30.039 h1.78
  text "ALARM SET" at -12.617,-40.035 h1.78
  text "HOUR" at -12.619,-55.732 h1.78
  text "NOTES" at -34.412,-57.139 h3.81
  text "MINUTE" at -12.615,-65.774 h1.78
Mechanical 1:
  circle w0.2: c-2.525,-2.525 r1.3
  circle w0.2: c-60.1,-86.525 r1.3
  circle w0.2: c-60.1,-2.524 r1.3
  circle w0.2: c-2.525,-86.525 r1.3
Outline:
  lines w0.254: -60.1,-84 ccw(c-60.1,-86.5) -57.6,-86.5 cw(c-57.1,-86.5) -57.1,-86 -5.5,-86 cw(c-5.5,-86.5) -5,-86.5 ccw(c-2.5,-86.5) -2.5,-84 cw(c-2.5,-83.5) -3,-83.5 -3,-46.5 37.297,-46.5 37.362,-46.565 ccw(c52.1,-43.7) 37.337,-40.964 37.301,-41 -0.5,-41 -3,-41 -3,-36 -3,-5.5 cw(c-2.5,-5.5) -2.5,-5 ccw(c-2.5,-2.5) -5,-2.5 cw(c-5.5,-2.5) -5.5,-3 -57.1,-3 cw(c-57.1,-2.5) -57.6,-2.5 ccw(c-60.1,-2.5) -60.1,-5 cw(c-60.1,-5.5) -59.6,-5.5 -59.6,-83.5 cw(c-60.1,-83.5) -60.1,-84

## Text inside footprints (layer, text, board x,y; h text height)
BZ1: Mechanical 13 "-" at -49.5,-48.01 h1.27 r180; Mechanical 13 "+" at -49.5,-57.27 h1.27 r180; Board Layer Stack Top Overlay "-" at -49.5,-48.01 h1.27 r180; Board Layer Stack Top Overlay "+" at -49.5,-57.27 h1.27 r180